# KiCad board FD-checkver.kicad_pcb (continued)
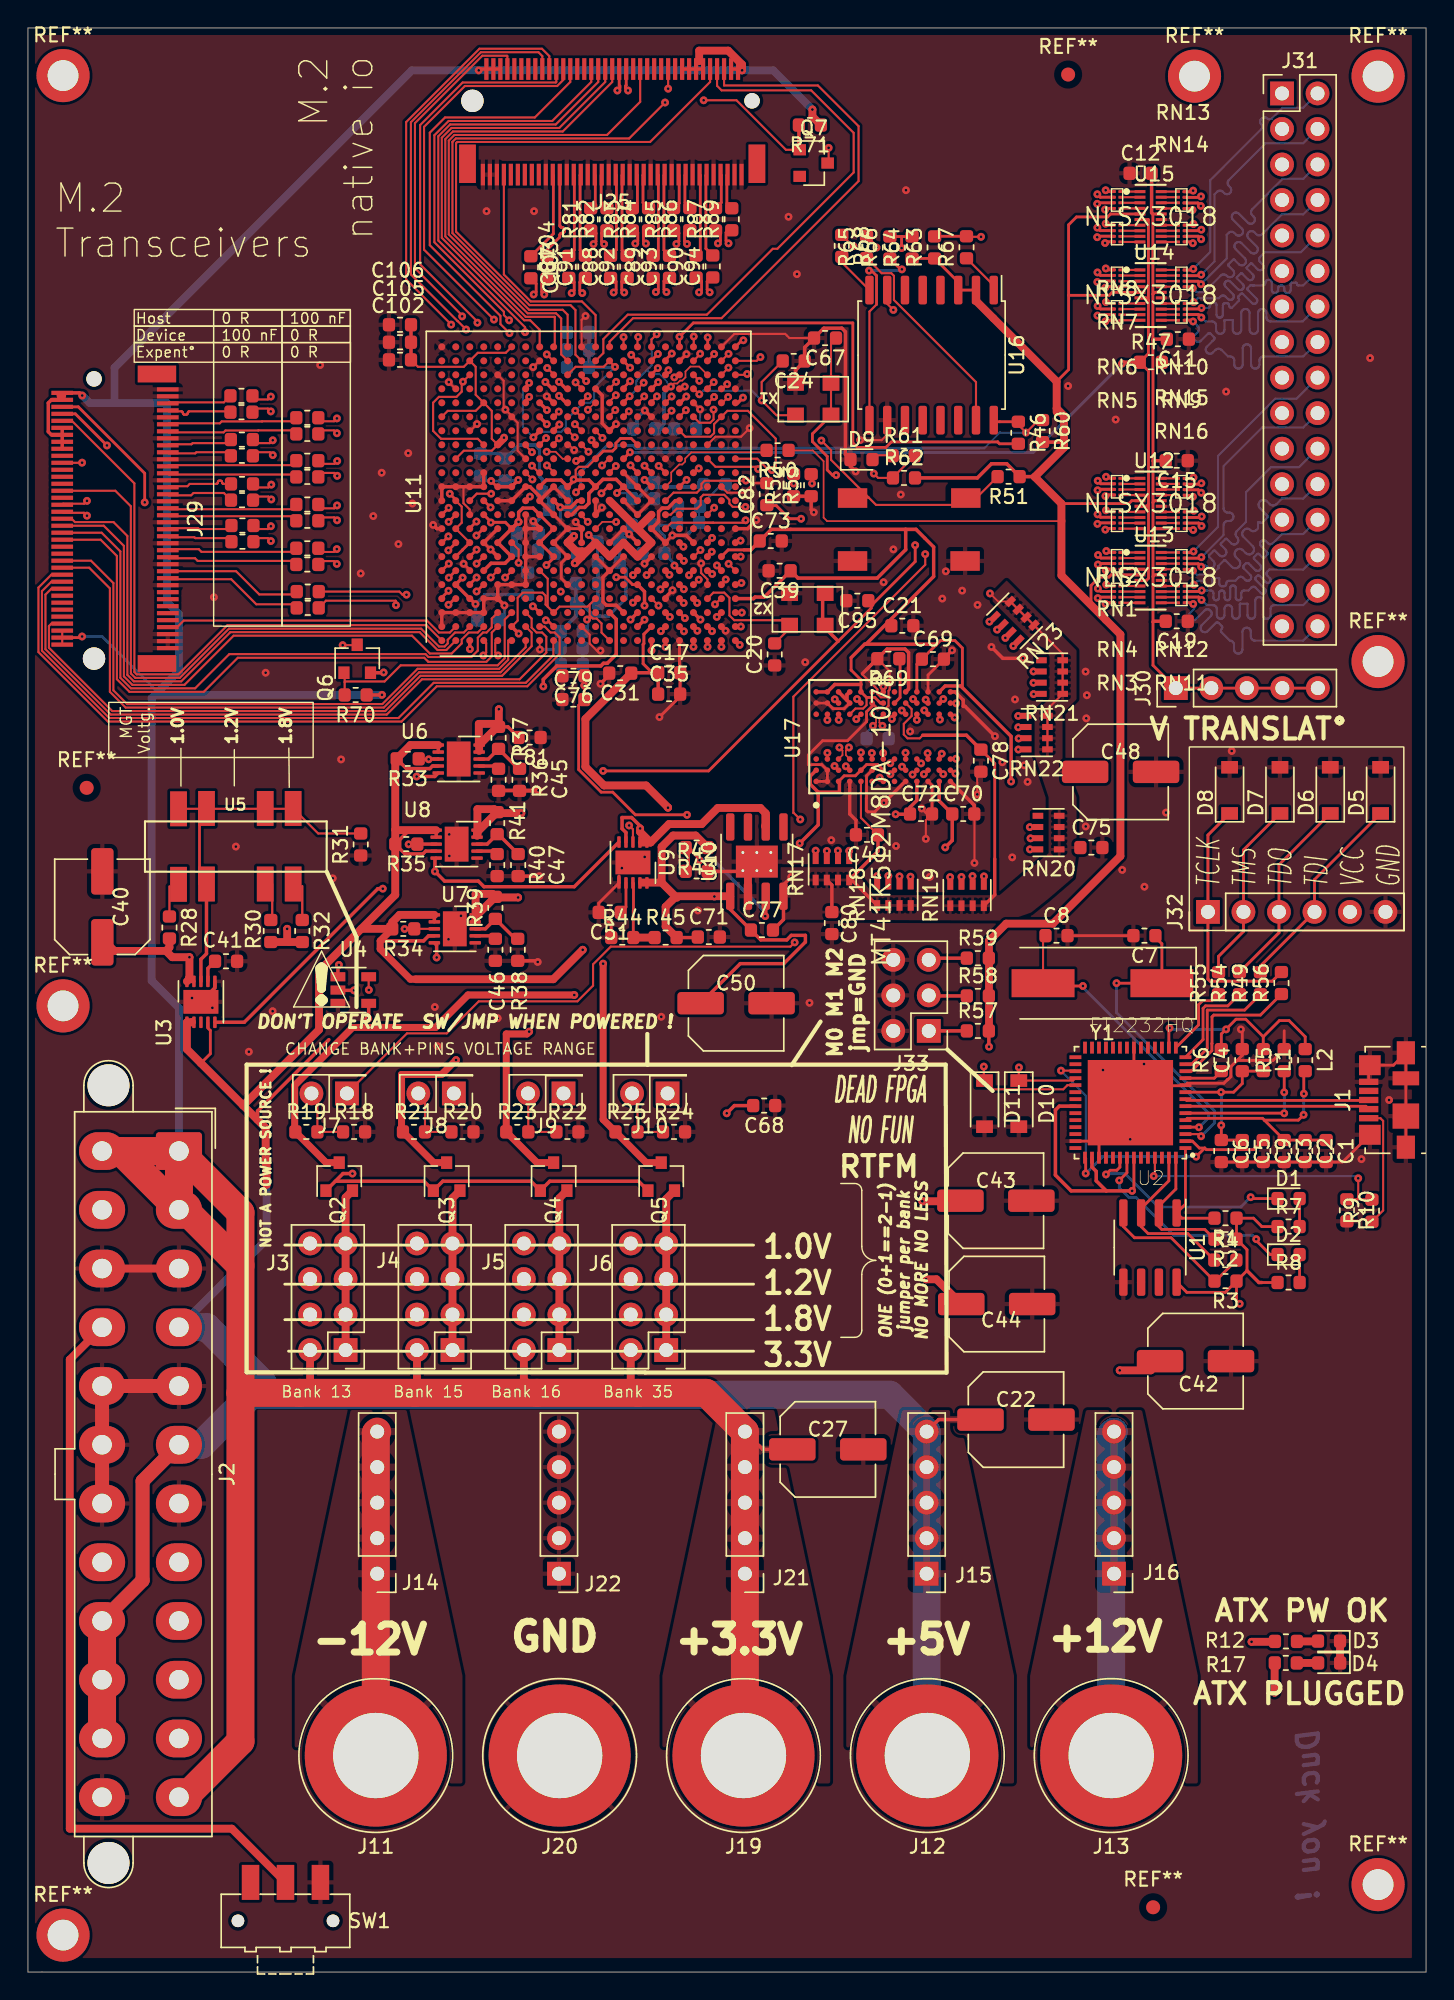
[diagram p0: board, top side]
## Routing (per net, layer and track width the routed paths; a pad name or vN(x,y) marks a point on that pad's centre or on a via; arc(x,y) is an arc through that point) (continued)
DDR_CLK_SYS: length 10.8
  Top w0.1: 53.35,96.62 54.63,96.62
  Top w0.15: C20.2 54.48,96.07 X2.3 54.1,96.66 50.52,96.66 50.17,97 50.17,98.25 49.8,98.63 49.03,98.63 U11.Y4
DDR_DM: length 35.3
  Top w0.244: U11.T1 v1(44.6,94.49)
  In2.Cu_SigDDR w0.15: v1(57.18,89.52) 56.53,88.87 56.24,88.87 56.2,88.87 56.16,88.85 56.13,88.83 56.1,88.8 56.08,88.77 56.07,88.73 56.06,88.69 56.06,88.61 56.06,88.57 56.05,88.53 56.03,88.5 56,88.47 55.97,88.45 55.93,88.44 55.89,88.43 55.85,88.44 55.81,88.45 55.78,88.47 55.75,88.5 55.73,88.53 55.72,88.57 55.72,88.61 55.72,88.69 55.71,88.73 55.7,88.77 55.68,88.8 55.65,88.83 55.62,88.85 55.58,88.87 55.54,88.87 55.5,88.87 55.46,88.85 55.43,88.83 55.4,88.8 55.38,88.77 55.37,88.73 55.37,88.69 55.37,88.61 55.36,88.57 55.35,88.53 55.33,88.5 55.3,88.47 55.27,88.45 55.23,88.44 55.19,88.43 55.15,88.44 55.11,88.45 55.08,88.47 55.05,88.5 55.03,88.53 55.02,88.57 55.01,88.61 55.01,88.69 55.01,88.73 55,88.77 54.98,88.8 54.95,88.83 54.92,88.85 54.88,88.87 54.84,88.87 54.8,88.87 54.76,88.85 54.73,88.83 54.7,88.8 54.68,88.77 54.67,88.73 54.66,88.69 54.66,88.61 54.66,88.57 54.65,88.53 54.63,88.5 54.6,88.47 54.57,88.45 54.53,88.44 54.49,88.43 54.45,88.44 54.41,88.45 54.38,88.47 54.35,88.5 54.33,88.53 54.32,88.57 54.31,88.61 54.31,88.69 54.31,88.73 54.3,88.77 54.28,88.8 54.25,88.83 54.22,88.85 54.18,88.87 54.14,88.87 54.1,88.87 54.06,88.85 54.03,88.83 54,88.8 53.98,88.77 53.97,88.73 53.97,88.69 53.97,88.61 53.96,88.57 53.95,88.53 53.93,88.5 53.9,88.47 53.87,88.45 53.83,88.44 53.79,88.43 53.75,88.44 53.71,88.45 53.68,88.47 53.65,88.5 53.63,88.53 53.62,88.57 53.62,88.61 53.62,88.69 53.61,88.73 53.6,88.77 53.58,88.8 53.55,88.83 53.52,88.85 53.48,88.87 53.44,88.87 53.4,88.87 53.36,88.85 53.33,88.83 53.3,88.8 53.28,88.77 53.27,88.73 53.26,88.69 53.26,88.61 53.26,88.57 53.25,88.53 53.23,88.5 53.2,88.47 53.17,88.45 53.13,88.44 53.09,88.43 53.05,88.44 53.01,88.45 52.98,88.47 52.95,88.5 52.93,88.53 52.92,88.57 52.91,88.61 52.91,88.69 52.91,88.73 52.9,88.77 52.88,88.8 52.85,88.83 52.82,88.85 52.78,88.87 52.74,88.87 52.7,88.87 52.66,88.85 52.63,88.83 52.6,88.8 52.58,88.77 52.57,88.73 52.56,88.69 52.56,88.61 52.56,88.57 52.55,88.53 52.53,88.5 52.5,88.47 52.47,88.45 52.43,88.44 52.39,88.43 52.35,88.44 52.31,88.45 52.28,88.47 52.25,88.5 52.23,88.53 52.22,88.57 52.22,88.61 52.22,88.69 52.21,88.73 52.2,88.77 52.18,88.8 52.15,88.83 52.12,88.85 52.08,88.87 52.04,88.87 52,88.87 51.96,88.85 51.93,88.83 51.9,88.8 51.88,88.77 51.87,88.73 51.87,88.69 51.87,88.61 51.86,88.57 51.85,88.53 51.83,88.5 51.8,88.47 51.77,88.45 51.73,88.44 51.69,88.43 51.65,88.44 51.61,88.45 51.58,88.47 51.55,88.5 51.53,88.53 51.52,88.57 51.51,88.61 51.51,88.69 51.51,88.73 51.5,88.77 51.48,88.8 51.45,88.83 51.42,88.85 51.38,88.87 51.34,88.87 51.3,88.87 51.26,88.85 51.23,88.83 51.2,88.8 51.18,88.77 51.17,88.73 51.16,88.69 51.16,88.61 51.16,88.57 51.15,88.53 51.13,88.5 51.1,88.47 51.07,88.45 51.03,88.44 50.99,88.43 50.95,88.44 50.91,88.45 50.88,88.47 50.85,88.5 50.83,88.53 50.82,88.57 50.81,88.61 50.81,88.69 50.81,88.73 50.8,88.77 50.78,88.8 50.75,88.83 50.72,88.85 50.68,88.87 50.64,88.87 50.6,88.87 50.56,88.85 50.53,88.83 50.5,88.8 50.48,88.77 50.47,88.73 50.47,88.69 50.47,88.61 50.46,88.57 50.45,88.53 50.43,88.5 50.4,88.47 50.37,88.45 50.33,88.44 50.29,88.43 50.25,88.44 50.21,88.45 50.18,88.47 50.15,88.5 50.13,88.53 50.12,88.57 50.12,88.61 50.12,88.94 50.11,88.95 50.11,88.97 50.1,88.98 50.09,88.99 50.08,89 50.06,89.01 50.05,89.01 49.83,89.01 49.82,89.01 49.8,89 49.79,88.99 49.78,88.98 49.77,88.97 49.77,88.95 49.76,88.94 49.76,88.61 49.76,88.57 49.75,88.53 49.73,88.5 49.7,88.47 49.67,88.45 49.63,88.44 49.59,88.43 49.55,88.44 49.51,88.45 49.48,88.47 49.45,88.5 49.43,88.53 49.42,88.57 49.41,88.61 49.41,88.69 49.41,88.73 49.4,88.77 49.38,88.8 49.35,88.83 49.32,88.85 49.28,88.87 49.24,88.87 49.06,88.87 48.77,89.15 48.75,89.18 48.74,89.21 48.73,89.24 48.73,89.27 48.74,89.3 48.75,89.33 48.79,89.38 48.81,89.41 48.81,89.44 48.81,89.47 48.81,89.51 48.79,89.53 48.77,89.56 48.73,89.6 48.7,89.62 48.67,89.64 48.64,89.64 48.61,89.64 48.58,89.64 48.55,89.62 48.52,89.6 48.42,89.5 48.42,89.51 47.84,88.93 47.81,88.91 47.78,88.89 47.74,88.88 47.7,88.88 47.66,88.89 47.63,88.91 47.6,88.93 47.57,88.96 47.56,89 47.55,89.04 47.55,89.08 47.56,89.11 47.57,89.15 47.6,89.18 48.05,89.63 48.07,89.66 48.09,89.7 48.1,89.73 48.1,89.77 48.09,89.81 48.07,89.85 48.05,89.88 48.02,89.9 47.98,89.92 47.94,89.93 47.9,89.93 47.87,89.92 47.83,89.9 47.8,89.88 47.35,89.43 47.32,89.4 47.28,89.39 47.25,89.38 47.21,89.38 47.17,89.39 47.13,89.4 47.1,89.43 47.08,89.46 47.06,89.49 47.05,89.53 47.05,89.57 47.06,89.61 47.08,89.64 47.1,89.67 47.55,90.13 47.58,90.16 47.59,90.19 47.6,90.23 47.6,90.27 47.59,90.31 47.58,90.34 47.55,90.37 47.52,90.4 47.49,90.41 47.45,90.42 47.41,90.42 47.37,90.41 47.34,90.4 47.3,90.37 46.85,89.92 46.82,89.9 46.79,89.88 46.75,89.87 46.71,89.87 46.67,89.88 46.64,89.9 46.61,89.92 46.58,89.95 46.57,89.99 46.56,90.03 46.56,90.07 46.57,90.1 46.58,90.14 46.61,90.17 47.06,90.62 47.08,90.65 47.1,90.69 47.11,90.72 47.11,90.76 47.1,90.8 47.08,90.84 47.06,90.87 47.03,90.89 46.99,90.91 46.95,90.92 46.91,90.92 46.88,90.91 46.84,90.89 46.81,90.87 46.36,90.42 46.33,90.39 46.29,90.38 46.26,90.37 46.22,90.37 46.18,90.38 46.14,90.39 46.11,90.42 46.09,90.45 46.07,90.48 46.06,90.52 46.06,90.56 46.07,90.6 46.09,90.63 46.11,90.66 46.56,91.12 46.59,91.15 46.6,91.18 46.61,91.22 46.61,91.26 46.6,91.3 46.59,91.33 46.56,91.36 46.53,91.39 46.5,91.4 46.46,91.41 46.42,91.41 46.38,91.4 46.35,91.39 46.31,91.36 45.86,90.91 45.83,90.89 45.8,90.87 45.76,90.86 45.72,90.86 45.68,90.87 45.65,90.89 45.62,90.91 45.59,90.94 45.58,90.98 45.57,91.02 45.57,91.06 45.58,91.09 45.59,91.13 45.62,91.16 46.07,91.61 46.09,91.64 46.11,91.68 46.12,91.71 46.12,91.75 46.11,91.79 46.09,91.83 46.07,91.86 46.04,91.88 46,91.9 45.96,91.91 45.92,91.91 45.89,91.9 45.85,91.88 45.82,91.86 45.37,91.41 45.34,91.38 45.3,91.37 45.27,91.36 45.23,91.36 45.19,91.37 45.15,91.38 45.12,91.41 45.1,91.44 45.08,91.47 45.07,91.51 45.07,91.55 45.08,91.59 45.1,91.62 45.12,91.65 45.57,92.11 45.6,92.14 45.61,92.17 45.62,92.21 45.62,92.25 45.61,92.29 45.6,92.32 45.55,92.38 45.54,92.41 45.53,92.44 45.53,92.47 45.54,92.5 45.55,92.53 45.59,92.58 45.61,92.61 45.61,92.64 45.61,92.67 45.61,92.7 45.59,92.73 45.57,92.76 45.53,92.8 45.5,92.82 45.47,92.84 45.44,92.84 45.41,92.84 45.38,92.84 45.35,92.82 45.33,92.8 45.22,92.7 45.22,92.71 44.64,92.13 44.61,92.11 44.58,92.09 44.54,92.08 44.5,92.08 44.46,92.09 44.43,92.11 44.4,92.13 44.37,92.16 44.36,92.2 44.35,92.24 44.35,92.28 44.36,92.31 44.37,92.35 44.4,92.38 44.85,92.83 44.87,92.86 44.89,92.9 44.9,92.93 44.9,92.97 44.89,93.01 44.87,93.05 44.85,93.08 44.59,93.33 44.59,94.48 v1(44.6,94.49)
DDR_DQ0: length 35.2
  Top w0.15: U17.B3 v1(57.18,87.17) ; v1(45.91,96.89) U11.U3
  In4.Cu_SigDDR w0.15: v1(45.91,96.89) 46.05,96.75 46.05,95.67 46.05,95.64 46.03,95.6 46.01,95.56 45.98,95.54 45.95,95.52 45.91,95.5 45.88,95.5 45.83,95.5 45.79,95.49 45.75,95.48 45.72,95.46 45.69,95.43 45.67,95.4 45.66,95.36 45.65,95.32 45.66,95.29 45.67,95.25 45.69,95.21 45.72,95.19 45.75,95.17 45.79,95.15 45.83,95.15 45.88,95.15 45.91,95.14 45.95,95.13 45.98,95.11 46.01,95.08 46.03,95.05 46.05,95.01 46.05,94.97 46.05,94.52 45.3,93.77 45.3,93.35 45.3,93.31 45.28,93.27 45.26,93.24 45.23,93.21 45.2,93.19 45.16,93.18 45.12,93.17 44.98,93.17 44.94,93.17 44.9,93.16 44.87,93.14 44.84,93.11 44.82,93.08 44.81,93.04 44.8,93 44.81,92.96 44.82,92.92 44.84,92.89 44.87,92.86 44.9,92.84 44.94,92.83 44.98,92.83 45.4,92.83 45.42,92.82 45.44,92.82 45.46,92.8 45.47,92.79 45.49,92.77 45.49,92.75 45.5,92.73 45.5,92.57 45.49,92.55 45.49,92.53 45.47,92.51 45.46,92.5 45.44,92.48 45.42,92.48 45.4,92.47 44.98,92.47 44.94,92.47 44.9,92.46 44.87,92.44 44.84,92.41 44.82,92.38 44.81,92.34 44.8,92.3 44.81,92.26 44.82,92.22 44.84,92.19 44.87,92.16 44.9,92.14 44.94,92.13 44.98,92.12 45.57,92.12 45.61,92.12 45.65,92.11 45.68,92.09 45.71,92.06 45.73,92.03 45.74,91.99 45.75,91.95 45.74,91.91 45.73,91.87 45.71,91.84 45.68,91.81 45.65,91.79 45.61,91.78 45.57,91.78 45.47,91.78 45.44,91.77 45.4,91.76 45.37,91.74 45.34,91.71 45.32,91.68 45.3,91.64 45.3,91.6 45.3,91.3 45.47,91.13 45.5,91.11 45.54,91.09 45.57,91.08 45.61,91.08 45.65,91.09 45.69,91.11 45.72,91.13 45.96,91.37 45.99,91.4 46.03,91.42 46.07,91.42 46.11,91.42 46.14,91.42 46.18,91.4 46.21,91.37 46.23,91.34 46.25,91.31 46.26,91.27 46.26,91.23 46.25,91.19 46.23,91.16 46.21,91.13 45.74,90.65 45.72,90.63 45.7,90.6 45.69,90.57 45.69,90.53 45.7,90.5 45.72,90.47 45.74,90.44 45.77,90.41 45.8,90.39 45.83,90.37 45.86,90.36 45.9,90.36 45.93,90.37 45.96,90.39 45.98,90.41 46.16,90.58 46.18,90.59 46.2,90.6 46.22,90.61 46.24,90.61 46.26,90.6 46.28,90.59 46.3,90.58 46.41,90.47 46.42,90.45 46.43,90.43 46.43,90.41 46.43,90.39 46.43,90.37 46.42,90.35 46.41,90.33 46.21,90.14 46.19,90.11 46.17,90.08 46.16,90.04 46.16,90 46.17,89.96 46.19,89.93 46.21,89.9 46.22,89.89 46.25,89.87 46.28,89.85 46.32,89.84 46.36,89.84 46.4,89.85 46.43,89.87 46.46,89.89 46.65,90.09 46.67,90.1 46.69,90.11 46.71,90.11 46.73,90.11 46.76,90.11 46.77,90.1 46.79,90.09 46.9,89.98 46.91,89.96 46.92,89.94 46.93,89.92 46.93,89.9 46.92,89.87 46.91,89.86 46.9,89.84 46.73,89.66 46.71,89.64 46.69,89.61 46.68,89.58 46.68,89.54 46.69,89.51 46.71,89.48 46.73,89.45 46.76,89.42 46.79,89.4 46.82,89.38 46.85,89.37 46.89,89.37 46.92,89.38 46.95,89.4 46.97,89.42 47.15,89.59 47.17,89.6 47.19,89.61 47.21,89.62 47.23,89.62 47.25,89.61 47.27,89.6 47.29,89.59 47.4,89.48 47.41,89.46 47.42,89.44 47.42,89.42 47.42,89.4 47.42,89.38 47.41,89.36 47.4,89.34 47.2,89.15 47.18,89.12 47.16,89.09 47.15,89.05 47.15,89.01 47.16,88.97 47.18,88.94 47.2,88.91 47.21,88.9 47.24,88.88 47.27,88.86 47.31,88.85 47.35,88.85 47.39,88.86 47.42,88.88 47.45,88.9 47.64,89.1 47.66,89.11 47.68,89.12 47.7,89.12 47.72,89.12 47.75,89.12 47.76,89.11 47.78,89.1 47.89,88.99 47.9,88.97 47.91,88.95 47.92,88.93 47.92,88.91 47.91,88.89 47.9,88.87 47.89,88.85 47.66,88.62 47.64,88.59 47.62,88.56 47.61,88.52 47.61,88.48 47.62,88.44 47.64,88.41 47.66,88.37 47.7,88.35 47.73,88.33 47.77,88.32 47.81,88.32 47.85,88.33 47.88,88.35 47.91,88.37 48.17,88.64 48.2,88.66 48.23,88.67 48.26,88.68 48.29,88.68 48.33,88.67 48.36,88.66 48.38,88.64 48.42,88.6 48.44,88.57 48.46,88.54 48.46,88.51 48.46,88.48 48.46,88.44 48.44,88.41 48.42,88.39 48.16,88.13 48.14,88.1 48.12,88.06 48.11,88.02 48.11,87.98 48.12,87.95 48.14,87.91 48.16,87.88 48.19,87.86 48.23,87.84 48.26,87.83 48.3,87.83 48.34,87.84 48.38,87.86 48.41,87.88 48.65,88.12 48.67,88.14 48.7,88.15 48.72,88.16 48.75,88.16 48.78,88.15 48.8,88.14 48.82,88.12 48.9,88.05 48.92,88.03 48.93,88 48.93,87.98 48.93,87.95 48.93,87.92 48.92,87.9 48.9,87.88 48.69,87.67 48.66,87.64 48.65,87.6 48.64,87.56 48.64,87.52 48.65,87.49 48.66,87.45 48.69,87.42 48.69,87.42 48.72,87.39 48.76,87.38 48.79,87.37 48.83,87.37 48.87,87.38 48.91,87.39 48.94,87.42 49.29,87.77 49.32,87.79 49.35,87.81 49.39,87.82 49.43,87.82 49.47,87.81 49.5,87.79 49.53,87.77 49.56,87.74 49.57,87.7 49.58,87.66 49.58,87.63 49.57,87.59 49.56,87.55 49.53,87.52 49.43,87.42 49.41,87.39 49.39,87.35 49.38,87.31 49.38,87.27 49.39,87.24 49.41,87.2 49.43,87.17 49.95,87.17 49.97,87.17 49.99,87.16 50.01,87.15 50.02,87.13 50.04,87.11 50.04,87.09 50.05,87.05 50.05,87.03 50.07,87.01 50.08,87 50.1,86.98 50.12,86.98 50.14,86.97 50.3,86.97 50.32,86.98 50.34,86.98 50.36,87 50.37,87.01 50.39,87.03 50.39,87.05 50.4,87.07 50.4,87.22 50.4,87.23 50.4,87.24 50.41,87.25 50.41,87.26 50.42,87.27 50.43,87.27 50.44,87.27 50.69,87.27 50.71,87.27 50.72,87.27 50.73,87.26 50.73,87.25 50.74,87.24 50.74,87.23 50.75,87.21 50.75,87.2 50.76,87.19 50.76,87.18 50.77,87.17 50.78,87.17 50.79,87.17 50.95,87.17 50.97,87.17 50.99,87.16 51.01,87.15 51.03,87.13 51.04,87.11 51.04,87.09 51.05,87.05 51.06,87.03 51.07,87.01 51.08,87 51.1,86.98 51.12,86.98 51.15,86.97 51.3,86.97 51.32,86.98 51.34,86.98 51.36,87 51.38,87.01 51.39,87.03 51.39,87.05 51.4,87.09 51.41,87.11 51.42,87.13 51.43,87.15 51.45,87.16 51.47,87.17 51.5,87.17 51.53,87.17 51.56,87.16 51.59,87.14 51.61,87.11 51.63,87.09 51.64,87.05 51.65,86.99 51.66,86.96 51.68,86.93 51.7,86.91 51.73,86.89 51.76,86.88 51.79,86.87 51.85,86.87 51.88,86.88 51.91,86.89 51.94,86.91 51.96,86.93 51.98,86.96 51.99,86.99 52,87.02 52,87.22 52,87.23 52,87.24 52.01,87.25 52.01,87.26 52.02,87.27 52.03,87.27 52.04,87.27 52.29,87.27 52.31,87.27 52.32,87.27 52.33,87.26 52.33,87.25 52.34,87.24 52.34,87.23 52.35,87.21 52.35,87.2 52.36,87.19 52.36,87.18 52.37,87.17 52.38,87.17 52.4,87.17 52.5,87.17 52.53,87.17 52.55,87.16 52.58,87.14 52.6,87.12 52.61,87.1 52.62,87.07 52.62,87.02 52.63,86.99 52.65,86.97 52.67,86.95 52.69,86.94 52.72,86.93 52.75,86.92 52.85,86.92 52.88,86.93 52.9,86.94 52.93,86.95 52.95,86.97 52.96,86.99 52.97,87.02 52.97,87.07 52.98,87.1 53,87.12 53.02,87.14 53.04,87.16 53.07,87.17 53.09,87.17 53.12,87.17 53.15,87.16 53.17,87.14 53.19,87.12 53.21,87.1 53.22,87.07 53.22,87.02 53.23,86.99 53.25,86.97 53.27,86.95 53.29,86.94 53.32,86.93 53.34,86.92 53.45,86.92 53.47,86.93 53.5,86.94 53.52,86.95 53.54,86.97 53.56,86.99 53.57,87.02 53.57,87.05 53.57,87.22 53.57,87.23 53.57,87.24 53.58,87.25 53.59,87.26 53.6,87.27 53.61,87.27 53.62,87.27 53.87,87.27 53.88,87.27 53.89,87.27 53.9,87.26 53.91,87.25 53.92,87.24 53.92,87.23 53.92,87.22 53.92,87.17 53.92,87.17 53.92,87.07 53.92,87.05 53.93,87.03 53.94,87.01 53.96,87 53.98,86.98 54,86.98 54.02,86.97 54.17,86.97 54.2,86.98 54.22,86.98 54.23,87 54.25,87.01 54.26,87.03 54.27,87.05 54.27,87.09 54.28,87.11 54.29,87.13 54.31,87.15 54.33,87.16 54.35,87.17 54.37,87.17 54.52,87.17 54.55,87.17 54.57,87.16 54.58,87.15 54.6,87.13 54.61,87.11 54.62,87.09 54.62,87.05 54.63,87.03 54.64,87.01 54.66,87 54.68,86.98 54.7,86.98 54.72,86.97 54.87,86.97 54.9,86.98 54.92,86.98 54.93,87 54.95,87.01 54.96,87.03 54.97,87.05 54.97,87.09 54.98,87.11 54.99,87.13 55.01,87.15 55.03,87.16 55.05,87.17 55.07,87.17 55.17,87.17 55.2,87.17 55.23,87.16 55.25,87.14 55.27,87.12 55.28,87.1 55.29,87.07 55.3,87.02 55.31,86.99 55.32,86.97 55.34,86.95 55.37,86.94 55.39,86.93 55.42,86.92 55.52,86.92 55.55,86.93 55.58,86.94 55.6,86.95 55.62,86.97 55.63,86.99 55.64,87.02 55.65,87.07 55.66,87.1 55.67,87.12 55.69,87.14 55.72,87.16 55.74,87.17 55.77,87.17 55.8,87.17 55.83,87.16 55.85,87.14 55.87,87.12 55.88,87.1 55.89,87.07 55.9,87.02 55.91,86.99 55.92,86.97 55.94,86.95 55.96,86.94 55.99,86.93 56.02,86.92 56.12,86.92 56.15,86.93 56.18,86.94 56.2,86.95 56.22,86.97 56.23,86.99 56.24,87.02 56.25,87.05 56.25,87.54 56.25,87.58 56.26,87.62 56.28,87.65 56.31,87.68 56.34,87.7 56.38,87.71 56.42,87.72 56.46,87.71 56.5,87.7 56.53,87.68 56.56,87.65 56.58,87.62 56.59,87.58 56.59,87.54 56.59,87.34 56.6,87.31 56.61,87.27 56.63,87.24 56.66,87.21 56.69,87.19 56.73,87.17 56.77,87.17 v1(57.18,87.17)
DDR_DQ1: length 33.9
  Top w0.15: v1(47.6,94.75) U11.W1 ; v1(57.99,89.53) 57.98,89.54 U17.C7
  In2.Cu_SigDDR w0.15: v1(57.99,89.53) 57.55,89.97 56.96,89.97 56.44,89.45 54.64,89.45 54.61,89.45 54.57,89.46 54.55,89.48 54.52,89.51 54.5,89.53 54.49,89.57 54.49,89.6 54.49,89.65 54.49,89.68 54.48,89.71 54.46,89.74 54.43,89.76 54.41,89.78 54.37,89.79 54.34,89.8 54.31,89.79 54.27,89.78 54.25,89.76 54.22,89.74 54.2,89.71 54.19,89.68 54.19,89.65 54.19,89.45 54.19,89.45 54.19,89.3 54.18,89.27 54.17,89.24 54.16,89.21 54.13,89.19 54.1,89.17 54.07,89.16 54.04,89.15 54.04,89.15 54,89.16 53.97,89.17 53.94,89.19 53.92,89.21 53.9,89.24 53.89,89.27 53.88,89.34 53.87,89.37 53.86,89.39 53.83,89.42 53.8,89.44 53.77,89.45 53.74,89.45 53.74,89.45 53.7,89.45 53.67,89.44 53.64,89.42 53.62,89.39 53.6,89.37 53.59,89.34 53.58,89.27 53.57,89.24 53.56,89.21 53.53,89.19 53.5,89.17 53.47,89.16 53.44,89.15 53.44,89.15 53.4,89.16 53.37,89.17 53.34,89.19 53.32,89.21 53.3,89.24 53.29,89.27 53.28,89.34 53.27,89.37 53.26,89.39 53.23,89.42 53.2,89.44 53.17,89.45 53.14,89.45 53.14,89.45 53.1,89.45 53.07,89.44 53.04,89.42 53.02,89.39 53,89.37 52.99,89.34 52.98,89.27 52.97,89.24 52.96,89.21 52.93,89.19 52.9,89.17 52.87,89.16 52.84,89.15 52.84,89.15 52.8,89.16 52.77,89.17 52.74,89.19 52.72,89.21 52.7,89.24 52.69,89.27 52.68,89.34 52.67,89.37 52.66,89.39 52.63,89.42 52.6,89.44 52.57,89.45 52.54,89.45 52.51,89.45 52.47,89.44 52.45,89.42 52.42,89.39 52.4,89.37 52.39,89.33 52.39,89.3 52.39,89.25 52.39,89.22 52.38,89.19 52.36,89.16 52.33,89.14 52.31,89.12 52.27,89.11 52.24,89.1 52.21,89.11 52.17,89.12 52.15,89.14 52.12,89.16 52.1,89.19 52.09,89.22 52.09,89.25 52.09,89.3 52.09,89.33 52.08,89.37 52.06,89.39 52.03,89.42 52.01,89.44 51.97,89.45 51.94,89.45 51.91,89.45 51.87,89.44 51.85,89.42 51.82,89.39 51.8,89.37 51.79,89.33 51.79,89.3 51.79,89.2 51.79,89.17 51.78,89.14 51.76,89.11 51.73,89.09 51.71,89.07 51.67,89.06 51.64,89.05 51.61,89.06 51.57,89.07 51.55,89.09 51.52,89.11 51.5,89.14 51.49,89.17 51.49,89.2 51.49,89.3 51.49,89.33 51.48,89.37 51.46,89.39 51.43,89.42 51.41,89.44 51.37,89.45 51.34,89.45 51.31,89.45 51.27,89.44 51.25,89.42 51.22,89.39 51.2,89.37 51.19,89.33 51.19,89.3 51.19,89.2 51.19,89.17 51.18,89.14 51.16,89.11 51.13,89.09 51.11,89.07 51.07,89.06 51.04,89.05 51.01,89.06 50.97,89.07 50.95,89.09 50.92,89.11 50.9,89.14 50.89,89.17 50.89,89.2 50.89,89.3 50.89,89.33 50.88,89.37 50.86,89.39 50.83,89.42 50.81,89.44 50.77,89.45 50.74,89.45 50.71,89.45 50.67,89.44 50.65,89.42 50.62,89.39 50.6,89.37 50.59,89.33 50.59,89.3 50.59,89.25 50.59,89.22 50.58,89.19 50.56,89.16 50.53,89.14 50.51,89.12 50.47,89.11 50.44,89.1 50.41,89.11 50.37,89.12 50.35,89.14 50.32,89.16 50.3,89.19 50.29,89.22 50.29,89.25 50.29,89.45 50.29,89.45 50.29,89.55 50.29,89.57 50.28,89.59 50.27,89.61 50.25,89.62 50.23,89.64 50.21,89.64 50.19,89.65 50.09,89.65 50.06,89.64 50.04,89.64 50.02,89.62 50.01,89.61 50,89.59 49.99,89.57 49.99,89.53 49.98,89.51 49.97,89.49 49.95,89.47 49.93,89.46 49.91,89.45 49.89,89.45 49.54,89.45 49.41,89.58 49.4,89.59 49.39,89.61 49.39,89.62 49.39,89.64 49.39,89.66 49.4,89.67 49.42,89.7 49.43,89.71 49.43,89.73 49.43,89.74 49.43,89.76 49.42,89.77 49.41,89.79 49.3,89.9 49.29,89.91 49.27,89.91 49.26,89.92 49.24,89.92 49.22,89.91 49.21,89.91 49.2,89.9 49.15,89.84 49.14,89.85 49.08,89.78 49.06,89.76 49.04,89.75 49.02,89.75 49,89.75 48.97,89.75 48.95,89.76 48.94,89.78 48.86,89.85 48.85,89.87 48.84,89.89 48.84,89.91 48.84,89.93 48.84,89.95 48.85,89.97 48.88,90.01 48.89,90.03 48.89,90.05 48.89,90.07 48.89,90.09 48.88,90.11 48.86,90.13 48.84,90.15 48.81,90.16 48.77,90.17 48.74,90.17 48.71,90.16 48.68,90.15 48.65,90.13 48.51,89.99 48.49,89.97 48.46,89.95 48.42,89.95 48.39,89.95 48.36,89.95 48.33,89.97 48.3,89.99 48.28,90.01 48.27,90.05 48.26,90.08 48.26,90.11 48.27,90.14 48.28,90.17 48.3,90.2 48.44,90.34 48.46,90.37 48.47,90.4 48.48,90.43 48.48,90.46 48.47,90.49 48.46,90.52 48.44,90.55 48.41,90.57 48.38,90.59 48.35,90.59 48.32,90.59 48.28,90.59 48.25,90.57 48.23,90.55 48.09,90.41 48.06,90.39 48.03,90.38 48,90.37 47.97,90.37 47.93,90.38 47.9,90.39 47.88,90.41 47.86,90.44 47.84,90.47 47.83,90.5 47.83,90.54 47.84,90.57 47.86,90.6 47.88,90.63 48.01,90.76 48.04,90.79 48.05,90.82 48.06,90.85 48.06,90.89 48.05,90.92 48.04,90.95 48.01,90.98 47.99,91 47.96,91.01 47.93,91.02 47.89,91.02 47.86,91.01 47.83,91 47.8,90.98 47.63,90.8 47.6,90.78 47.57,90.77 47.54,90.76 47.51,90.76 47.47,90.77 47.44,90.78 47.42,90.8 47.4,90.83 47.38,90.86 47.37,90.89 47.37,90.92 47.38,90.96 47.4,90.99 47.42,91.01 47.94,91.54 47.96,91.56 47.98,91.59 47.98,91.63 47.98,91.66 47.98,91.69 47.96,91.72 47.94,91.75 47.91,91.77 47.88,91.79 47.85,91.79 47.82,91.79 47.79,91.79 47.75,91.77 47.73,91.75 47.2,91.23 47.18,91.21 47.15,91.19 47.12,91.18 47.08,91.18 47.05,91.19 47.02,91.21 46.99,91.23 46.97,91.25 46.96,91.28 46.95,91.32 46.95,91.35 46.96,91.38 46.97,91.41 46.99,91.44 47.48,91.93 47.5,91.95 47.52,91.98 47.52,92.02 47.52,92.05 47.52,92.08 47.5,92.11 47.48,92.14 47.45,92.16 47.42,92.17 47.39,92.18 47.36,92.18 47.33,92.17 47.3,92.16 47.27,92.14 46.82,91.69 46.79,91.66 46.76,91.65 46.73,91.64 46.69,91.64 46.66,91.65 46.63,91.66 46.6,91.69 46.58,91.71 46.57,91.74 46.56,91.78 46.56,91.81 46.57,91.84 46.58,91.87 46.6,91.9 46.9,92.19 46.91,92.21 46.92,92.22 46.92,92.24 46.92,92.25 46.92,92.27 46.91,92.28 46.9,92.3 46.79,92.41 46.78,92.42 46.76,92.42 46.75,92.43 46.73,92.43 46.71,92.42 46.7,92.42 46.69,92.41 46.39,92.11 46.37,92.09 46.33,92.07 46.3,92.07 46.27,92.07 46.24,92.07 46.21,92.09 46.18,92.11 46.16,92.14 46.14,92.17 46.14,92.2 46.14,92.23 46.14,92.27 46.16,92.3 46.18,92.32 46.32,92.46 46.34,92.49 46.35,92.52 46.36,92.55 46.36,92.58 46.35,92.62 46.34,92.65 46.32,92.67 46.07,92.92 46.07,93.08 46.07,93.11 46.06,93.15 46.04,93.17 46.01,93.2 45.99,93.22 45.95,93.23 45.92,93.23 45.22,93.23 45.19,93.23 45.16,93.24 45.13,93.26 45.11,93.29 45.09,93.31 45.08,93.35 45.07,93.38 45.08,93.41 45.09,93.45 45.11,93.47 45.13,93.5 45.16,93.52 45.19,93.53 45.22,93.53 46.72,93.53 46.75,93.53 46.78,93.54 46.81,93.56 46.83,93.59 46.85,93.61 46.86,93.65 46.87,93.68 46.86,93.71 46.85,93.75 46.83,93.77 46.81,93.8 46.78,93.82 46.75,93.83 46.72,93.83 45.22,93.83 45.19,93.83 45.16,93.84 45.13,93.86 45.11,93.89 45.09,93.91 45.08,93.95 45.07,93.98 45.08,94.01 45.09,94.05 45.11,94.07 45.13,94.1 45.16,94.12 45.19,94.13 45.22,94.13 45.92,94.13 45.95,94.13 45.99,94.14 46.01,94.16 46.04,94.19 46.06,94.21 46.07,94.25 46.07,94.28 46.54,94.75 v1(47.6,94.75)
DDR_DQ2: length 33.3
  Top w0.15: 57.98,85.94 v1(57.69,86.23) ; v1(45.27,95.87) U11.U2
  In4.Cu_SigDDR w0.15: v1(57.69,86.23) 57.18,85.72 51.31,85.72 51.27,85.72 51.23,85.7 51.19,85.68 51.16,85.65 51.14,85.61 51.12,85.57 51.12,85.48 51.1,85.44 51.08,85.4 51.05,85.37 51.01,85.35 50.97,85.34 50.93,85.33 50.76,85.33 50.72,85.34 50.68,85.35 50.64,85.37 50.61,85.4 50.59,85.44 50.57,85.48 50.57,85.53 50.57,85.81 50.57,85.83 50.56,85.85 50.55,85.87 50.53,85.89 50.52,85.9 50.5,85.91 50.48,85.91 50.11,85.91 50.09,85.91 50.07,85.9 50.06,85.89 50.04,85.87 50.03,85.85 50.02,85.83 50.02,85.81 50.02,85.53 50.02,85.48 50,85.44 49.98,85.4 49.95,85.37 49.91,85.35 49.87,85.34 49.83,85.33 49.66,85.33 49.62,85.34 49.58,85.35 49.54,85.37 49.51,85.4 49.49,85.44 49.47,85.48 49.47,85.53 49.47,86.18 49.46,86.24 49.44,86.3 49.41,86.35 49.37,86.4 49.31,86.43 49.26,86.45 49.19,86.46 49.13,86.45 49.08,86.43 49.02,86.4 48.98,86.35 48.95,86.3 48.93,86.24 48.92,86.18 48.92,85.72 48.91,85.72 48.91,85.53 48.91,85.48 48.89,85.44 48.87,85.4 48.84,85.37 48.8,85.35 48.76,85.34 48.72,85.33 48.56,85.33 48.51,85.34 48.47,85.35 48.44,85.37 48.41,85.4 48.38,85.44 48.37,85.48 48.36,85.57 48.34,85.61 48.32,85.65 48.29,85.68 48.25,85.7 48.21,85.72 48.17,85.72 47.49,86.4 47.48,86.41 47.48,86.42 47.47,86.44 47.47,86.45 47.48,86.47 47.48,86.48 47.5,86.51 47.51,86.52 47.51,86.54 47.51,86.55 47.51,86.57 47.5,86.58 47.49,86.59 47.2,86.88 47.19,86.89 47.18,86.9 47.16,86.9 47.14,86.9 47.13,86.9 47.12,86.89 47.1,86.88 46.83,86.61 46.79,86.58 46.73,86.55 46.67,86.54 46.61,86.54 46.55,86.55 46.49,86.58 46.44,86.61 46.41,86.66 46.38,86.72 46.37,86.78 46.37,86.84 46.38,86.9 46.41,86.95 46.44,87 46.71,87.27 46.72,87.29 46.73,87.3 46.73,87.31 46.73,87.33 46.73,87.34 46.72,87.36 46.71,87.37 46.42,87.66 46.41,87.67 46.4,87.68 46.38,87.68 46.37,87.68 46.35,87.68 46.34,87.67 46.33,87.66 46.06,87.39 46.01,87.35 45.95,87.33 45.89,87.31 45.83,87.31 45.77,87.33 45.71,87.35 45.67,87.39 45.63,87.44 45.6,87.5 45.59,87.56 45.59,87.62 45.6,87.68 45.63,87.73 45.67,87.78 45.94,88.05 45.95,88.06 45.95,88.08 45.96,88.09 45.96,88.11 45.95,88.12 45.95,88.14 45.94,88.15 45.65,88.44 45.63,88.45 45.62,88.46 45.6,88.46 45.59,88.46 45.57,88.46 45.56,88.45 45.55,88.44 45.28,88.17 45.23,88.13 45.17,88.1 45.11,88.09 45.05,88.09 44.99,88.1 44.94,88.13 44.89,88.17 44.85,88.22 44.82,88.27 44.81,88.33 44.81,88.39 44.82,88.45 44.85,88.51 44.89,88.56 45.16,88.83 45.17,88.84 45.18,88.85 45.18,88.87 45.18,88.89 45.18,88.9 45.17,88.91 45.16,88.93 44.87,89.22 44.86,89.23 44.84,89.23 44.83,89.24 44.81,89.24 44.8,89.23 44.78,89.23 44.77,89.22 44.5,88.95 44.45,88.91 44.4,88.88 44.34,88.87 44.27,88.87 44.21,88.88 44.16,88.91 44.11,88.95 44.07,89 44.05,89.05 44.03,89.11 44.03,89.17 44.05,89.23 44.07,89.29 44.11,89.34 44.47,89.69 44.5,89.73 44.52,89.77 44.53,89.81 44.53,89.85 44.52,89.9 44.5,89.94 44.47,89.97 44.36,90.08 44.32,90.11 44.28,90.13 44.24,90.14 44.2,90.14 44.15,90.13 44.11,90.11 44.08,90.08 43.72,89.73 43.67,89.69 43.62,89.66 43.56,89.65 43.5,89.65 43.44,89.66 43.38,89.69 43.33,89.73 43.29,89.77 43.27,89.83 43.25,89.89 43.25,89.95 43.27,90.01 43.29,90.07 43.33,90.11 43.36,90.14 43.4,90.19 43.43,90.24 43.44,90.3 43.44,90.37 43.43,90.43 43.4,90.48 43.36,90.53 43.36,94.94 44.29,95.87 v1(45.27,95.87)
